# KiCad board input-output.Disk.kicad_pcb (continued)
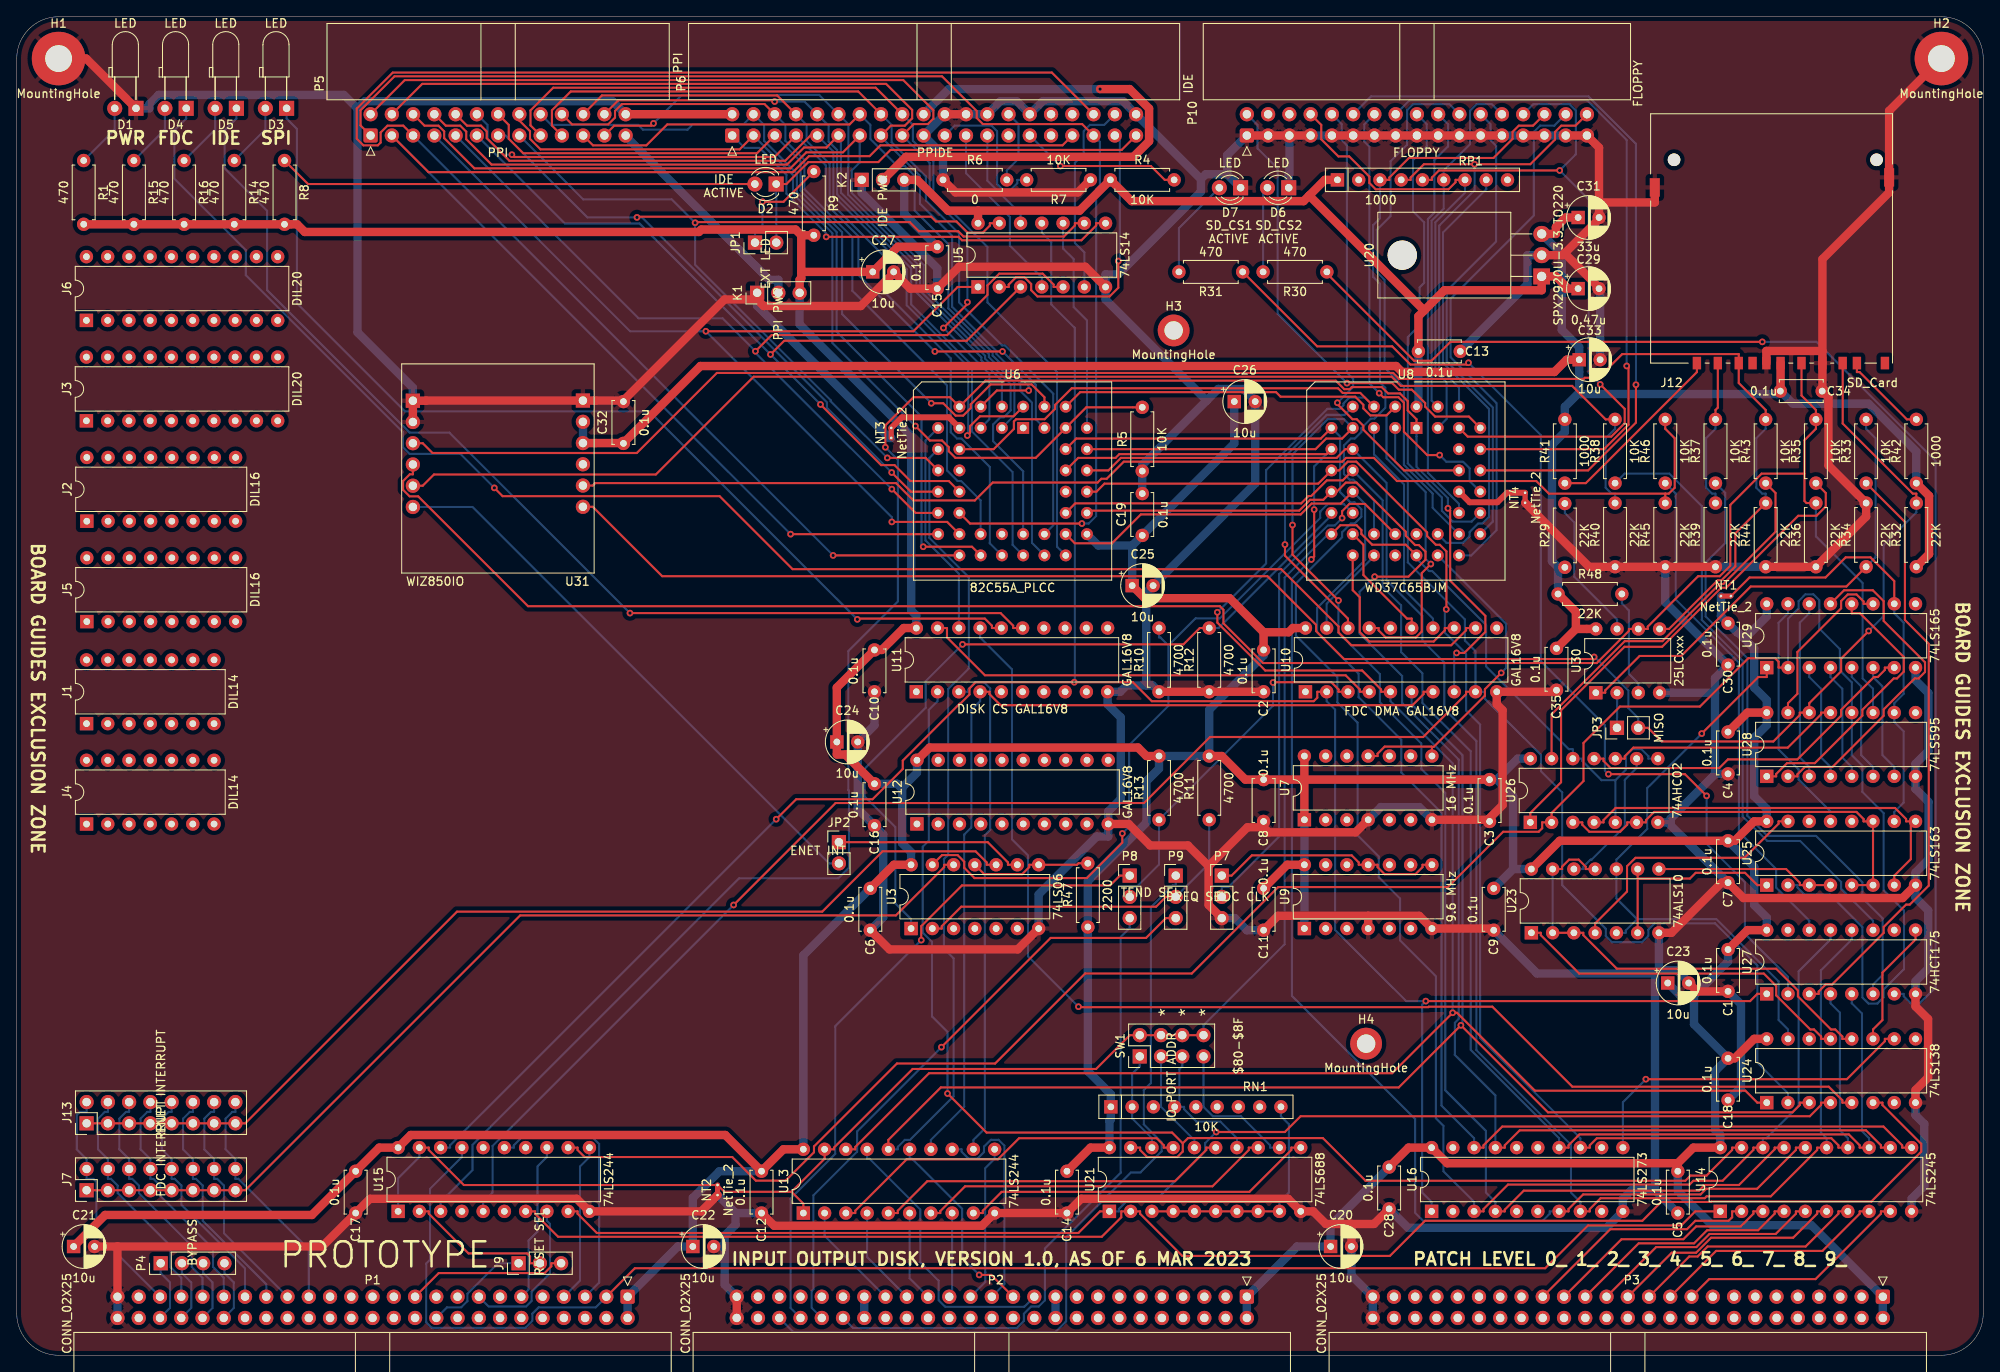
[diagram p0: board, top side]
## Routing (per net, layer and track width the routed paths; a pad name or vN(x,y) marks a point on that pad's centre or on a via; arc(x,y) is an arc through that point) (continued)
/WIZNET/~{CTRL_WR}: length 15.1
  Top w0.25: U27.9 226.9,49.69 222.95,45.74 222.95,40.07 221.82,38.95 U24.11
/WIZNET/~{ENET_INT}: length 22.6
  Top w0.25: U3.9 118.45,58.63 118.45,58.91 116.03,61.34 JP2.1
/WIZNET/~{LATCH_WR}: length 41.2
  Top w0.25: U24.10 223.24,37.82 223.24,37.54 218.7,33 v1(194.68,33)
  Bottom w0.25: U16.11 191.94,30.26 v1(194.68,33)
/WIZNET/~{MOSI}: length 42
  Top w0.25: U26.11 189.62,71.32 189.62,71.04 190.46,70.19 203.45,70.19 204.49,71.23 212.79,71.23 218.01,76.45 218.01,77.15 221.94,81.07 222.4,81.07 223.24,81.92 223.24,82.2 U29.7
/WIZNET/~{QD}: length 48.6
  Top w0.25: U26.4 189.62,63.7 189.62,63.98 191.06,65.42 224.46,65.42 225.78,64.1 225.78,63.82 226.34,63.82 ; 226.34,63.82 U25.9 ; 226.34,63.82 226.34,59.3 224.37,57.33 U25.7
/WIZNET/~{RST}: length 145.4
  Top w0.25: 197,103 197.42,103 198.13,103.7 198.13,109.62 197,110.74 R46.2 ; 197,103 R45.2 ; 197,103 183.09,103 181.58,104.5 164.94,104.5 162.17,107.27 158.85,107.27 158.4,106.82 132.29,106.82 130.25,104.77 129.61,104.77 129.16,104.32 116.63,104.32 114.49,102.18 107.14,102.18 105.07,104.26 69.13,104.26 68.84,103.96 U31.J2-5
/WIZNET/~{SD_RDNTR}: length 42
  Top w0.25: U24.13 215.62,37.82 215.62,38.1 214.78,38.95 214.33,38.95 210.25,43.02 210.25,44.15 208.77,45.63 186.72,45.63 182.13,50.22 182.13,50.5 U23.1
/WIZNET/~{SD_RDTR}: length 55.7
  Top w0.25: U23.13 184.67,58.12 184.67,58.4 185.51,59.25 186.65,59.25 187.49,58.4 187.49,58.12 U23.11 ; U23.2 U23.3 187.21,50.5 187.21,50.22 191.22,46.21 210.25,46.21 212.85,43.61 212.85,42.9 216.8,38.95 217.32,38.95 218.16,38.1 218.16,37.82 U24.12
  Bottom w0.25: U23.2 U23.13
/WIZNET/~{SD_WRTR}: length 69.8
  Top w0.25: U29.1 209.12,81.07 208.12,81.07 v1(201.36,74.31)
  Bottom w0.25: 193.64,52.13 191.16,54.61 U23.10 191.16,59.25 194.84,62.93 194.84,67.8 v1(201.36,74.31) ; 193.64,52.13 203.1,52.13 210.54,44.69 210.54,40.07 211.66,38.95 U24.15 ; 193.64,52.13 192.29,50.78 192.29,50.5 U23.5
/WIZNET/~{SER_RD}: length 28.3
  Top w0.25: U26.10 192.16,71.32 192.16,71.6 193.19,72.63 211.64,72.63 215.62,76.62 215.62,76.82 U28.13
/WIZNET/~{TR}: length 21.5
  Top w0.25: U23.8 211.44,58.12 213.08,56.48 213.08,56.2 U25.3 U25.4
A0: length 13
  Bottom w0.25: U13.2 96.54,14.28 P2.35
A1: length 12
  Bottom w0.25: U13.4 101.62,11.74 P2.33
A2: length 10.9
  Bottom w0.25: P2.31 106.7,9.2 U13.6
A3: length 10.1
  Bottom w0.25: U13.8 111.78,7.34 P2.29
A4: length 18.8
  Bottom w0.25: P2.27 115.74,8.76 115.74,9.91 115.73,9.91 115.73,22.37 116.86,23.49 U13.11
A5: length 27.2
  Bottom w0.25: P2.25 118.03,8.51 118.03,25.05 117.32,25.75 116.4,25.75 115.59,24.95 115.59,24.29 114.79,23.49 113.75,23.49 112.91,24.34 112.91,24.62 U13.13
A6: length 23.7
  Top w0.25: P2.23 116.45,9.61 v1(115.01,9.61)
  Bottom w0.25: U13.15 106.7,23.49 106.98,23.49 112.98,17.5 112.98,11.64 v1(115.01,9.61)
A7: length 34
  Bottom w0.25: P2.21 120.4,5.8 110.95,5.8 110.17,6.58 110.17,8.9 107.97,11.1 107.97,17.43 101.9,23.49 101.62,23.49 U13.17
bA0: length 279.1
  Top w0.25: U13.18 100.21,24.62 100.21,24.9 109.02,33.72 164.37,33.72 v1(171.59,40.94) 172.11,40.94 181.42,31.63 206.57,31.63 208,30.2 U24.1 ; U10.5 163.03,79.31 163.03,79.59 160.77,81.85 149.2,81.85 143.47,87.58 v1(143.47,88.81) ; U6.10 116.75,108.31 119.16,110.72 119.16,111.62 119.42,111.89 122.83,111.89 124.08,113.13 124.08,113.6 126.07,115.59 157.89,115.59 158.45,115.03 160.55,115.03 U8.4
  Bottom w0.25: U8.4 161.11,114.47 159.24,114.47 158.54,113.77 158.54,113.55 158.12,113.13 156.62,113.13 149.3,105.81 149.3,94.64 v1(143.47,88.81) ; U10.5 164.16,78.18 171.59,70.75 v1(171.59,40.94)
bA1: length 256.3
  Top w0.25: U24.3 213.08,30.2 213.08,29.92 212.2,29.04 182.98,29.04 v1(172.58,39.44) 165.15,32.02 110.43,32.02 104.16,25.75 U13.16
  Bottom w0.25: v1(172.58,39.44) 172.77,39.64 172.77,71.73 166.7,77.8 U10.6 ; U13.16 105.29,24.62 105.29,24.9 106.13,25.75 106.74,25.75 111.95,30.95 111.95,47.45 110.8,48.6 110.8,59.32 111.31,59.82 111.31,79.65 113.77,82.11 113.77,93 109.05,97.72 109.05,107.25 U6.9
bA2: length 112.9
  Top w0.25: U11.4 116.25,79.31 116.25,79.03 117.57,77.7 166.79,77.7 168.11,79.03 168.11,79.31 U10.7
  Bottom w0.25: U11.4 115.12,78.18 114.07,77.13 114.07,63.08 113.22,62.24 113.22,29.73 109.24,25.75 U13.14
bA3: length 60.6
  Bottom w0.25: U13.12 114.32,25.75 115.68,27.11 115.68,62.16 116.33,62.8 116.33,79.71 115.6,80.44 114.55,80.44 113.71,79.59 113.71,79.31 U11.3
bA4: length 42.7
  Top w0.25: U13.9 115.45,17 115.45,17.28 117.7,19.53 147.3,19.53 152.31,24.54 152.31,24.82 U21.11
bA5: length 42.7
  Top w0.25: U13.7 110.37,17 110.37,17.23 113.33,20.2 142.89,20.2 147.23,24.54 147.23,24.82 U21.13
bA6: length 42.7
  Top w0.25: 143.28,24.82 142.15,24.82 142.15,24.54 138.42,20.81 108.81,20.81 105.29,17.28 105.29,17 U13.5
bA7: length 43.6
  Top w0.25: U21.17 137.07,24.82 137.07,25.1 136.23,25.95 119.78,25.95 117.25,23.42 106.34,23.42 100.21,17.28 100.21,17 U13.3
bCLK: length 265.4
  Top w0.25: U29.2 210.54,82.2 210.54,82.9 210.12,83.33 206.92,83.33 201.14,77.54 191.58,77.54 187.22,73.19 187.22,68.64 183.41,64.83 U26.2 182.29,63.7 182.29,63 181.87,62.57 177.62,62.57 171.02,55.97 150.75,55.97 140.42,45.64 127.68,45.64 116.91,34.88 105.18,34.88 95.27,24.96 95.27,24.26 91.88,20.87 88.33,20.87 85.51,23.69 67.86,23.69 67.02,24.54 67.02,24.82 U15.12
  Bottom w0.25: U25.2 212.79,56.2 212.79,55.92 213.63,55.07 216.67,55.07 220.56,51.19 220.56,42.78 221.29,42.04 222.34,42.04 223.08,42.78 223.08,43.72 225.52,46.16 225.52,53.15 223.1,55.58 223.1,64.8 220.56,67.34 220.56,70.47 219.28,71.74 U28.12 219.28,80.44 217.87,81.85 217.87,84.4 215.4,86.87 215.4,90.25 214.69,90.96 213.74,90.96 212.94,90.15 212.94,89.29 211.66,88.02 U29.2
bD0: length 208.1
  Top w0.25: U8.7 155.84,109.58 126.62,109.58 U6.38 ; U16.3 175.28,17.2 175.28,17.48 178.21,20.41 199.9,20.41 200.35,20.86 203.85,20.86 207.53,24.54 207.53,24.82 U14.18
  Bottom w0.25: U14.18 208.66,25.95 209.08,25.95 212.94,29.8 212.94,45.88 216.75,49.69 U27.13 ; U8.7 158.15,109.81 158.15,103.17 159.36,101.96 159.86,101.96 160.69,101.13 160.69,100.25 159.86,99.42 159.42,99.42 158.38,98.38 158.38,97.77 152.86,92.26 152.86,86.02 157.81,81.07 157.81,78.04 160.22,75.63 160.22,62.16 162.76,59.62 162.76,57.13 165.31,54.59 165.31,49.59 169.59,45.31 169.59,28.34 170.49,27.43 170.49,21.99 174.16,18.33 U16.3
bD1: length 180.6
  Top w0.25: U8.8 158.38,109.58 156.48,109.58 155.21,108.31 U6.37 ; v1(157.95,90.22) 152.45,95.72 v1(152.45,99.25) ; U14.17 210.07,24.82 210.07,24.62 205.81,20.35 201.7,20.35 201.03,19.68 180.09,19.68 177.82,17.4 177.82,17.2 U16.4
  Bottom w0.25: v1(157.95,90.22) 157.95,86.37 162.89,81.43 162.89,78.08 167.84,73.13 167.84,70.08 170.71,67.22 170.71,31.68 175.57,26.82 175.57,19.45 176.69,18.33 U16.4 ; U8.8 158.6,111.9 156.67,111.9 152.45,107.69 v1(152.45,99.25)
bD2: length 183.3
  Top w0.25: U16.7 185.44,17.2 185.44,17.48 187.18,19.23 201.21,19.23 201.89,19.9 207.97,19.9 212.61,24.54 212.61,24.82 213.74,24.82 ; U6.36 126.85,107.27 131.31,107.27 131.76,107.72 156.52,107.72 U8.9 ; v1(155.04,101.08) 155.04,95.46 v1(154.71,95.13)
  Bottom w0.25: U16.7 183.19,17.2 183.19,16.92 182.35,16.07 168.06,16.07 167.11,17.02 167.11,28.23 152.38,42.96 152.38,92.8 v1(154.71,95.13) ; v1(155.04,101.08) 155.04,106.24 U8.9
bD3: length 195.9
  Top w0.25: U6.35 130.45,105.77 131.95,107.27 157.73,107.27 158.77,108.31 U8.10 ; U16.8 187.98,17.2 187.98,17.48 189.27,18.78 201.72,18.78 201.94,19 209.61,19 215.15,24.54 215.15,24.82 216.28,24.82
  Bottom w0.25: U16.8 186.85,18.33 185.73,19.45 185.73,25.17 174.42,36.47 174.42,73.43 170.59,77.26 170.59,82.81 167.97,85.43 167.97,88.38 163.69,92.65 163.69,104.27 U8.10 ; 216.28,24.82 216.28,25.95 215.6,26.62 215.6,46.01 219.28,49.69 U27.12
bD4: length 179.7
  Top w0.25: U16.13 187.98,24.82 187.98,25.1 188.82,25.95 216.85,25.95 217.69,25.1 217.69,24.82 U14.14 ; v1(170.83,89.16) 170.85,89.18 170.85,96.09 170.06,96.88 169.59,96.88 168.54,97.93 168.54,98.35 160.08,106.82 159.06,106.82 158.02,105.77 U8.11 155.53,104.19 129.99,104.19 129.03,103.23 U6.33
  Bottom w0.25: U16.13 186.85,25.95 174.87,37.93 174.87,75.4 173.19,77.08 173.19,83.85 170.65,86.39 170.65,88.99 v1(170.83,89.16) ; U14.14 218.81,25.95 217.87,26.89 217.87,40.95 216.75,42.07 U27.4
bD5: length 185.5
  Top w0.25: U16.14 185.44,24.82 185.44,25.1 186.74,26.4 218.93,26.4 220.23,25.1 220.23,24.82 U14.13 ; U6.32 126.49,101.83 153.49,101.83 154.37,102.71 154.69,102.71 156.56,104.58 158.46,104.58 U8.12
  Bottom w0.25: U16.14 184.31,25.95 173.75,36.51 173.75,72.18 167.97,77.97 167.97,81.52 165.43,84.06 165.43,89.64 163.23,91.84 163.23,102.19 U8.12 ; U27.5 219.28,42.07 220.51,40.85 220.51,26.79 221.36,25.95 U14.13
bD6: length 178.9
  Top w0.25: v1(162.27,93.07) 166.31,93.07 168.34,95.1 168.34,96.06 167.56,96.85 167.11,96.85 166,97.95 166,98.43 160.12,104.31 158.83,104.31 157.75,103.23 U8.13 156.14,102.26 154.55,102.26 153.26,100.96 128.16,100.96 U6.31 ; U16.17 177.82,24.82 177.82,25.1 179.61,26.89 220.98,26.89 222.77,25.1 222.77,24.82 U14.12
  Bottom w0.25: U16.17 176.69,31.07 171.85,35.91 171.85,39.75 172.32,40.21 172.32,71.2 165.56,77.96 165.56,81.19 160.47,86.28 160.47,91.27 v1(162.27,93.07)
bD7: length 181.2
  Top w0.25: U8.14 158.23,101.81 154.74,101.81 153.44,100.51 134.33,100.51 130.88,97.06 126.44,97.06 U6.30 ; U16.18 175.28,24.82 175.28,25.1 177.52,27.34 223.07,27.34 225.31,25.1 225.31,24.82 U14.11
  Bottom w0.25: U8.14 161.14,101.74 161.14,95.08 155.4,89.34 155.4,86.42 160.35,81.47 160.35,78.67 165.45,73.57 165.45,69.66 170.26,64.85 170.26,29.84 174.16,25.95 U16.18
CLK: length 18.8
  Bottom w0.25: P1.15 56.4,5.82 60.87,5.82 61.53,6.49 61.53,7.59 63.72,9.78 63.72,15.71 63.36,16.07 U15.8
D0: length 28.4
  Top w0.25: 206.12,17.2 204.99,17.2 204.99,16.5 204.57,16.07 200.6,16.07 199.59,15.07 190.43,15.07 P3.33
D1: length 28.1
  Top w0.25: P3.31 191.77,13.87 199.16,13.87 200.68,15.4 206.01,15.4 207.53,16.92 207.53,17.2 U14.3
D2: length 28.1
  Top w0.25: P3.29 193.82,13.38 200.44,13.38 202.01,14.95 208.1,14.95 210.07,16.92 210.07,17.2 U14.4
D3: length 28.1
  Top w0.25: P3.27 195.91,12.93 200.72,12.93 202.29,14.5 210.19,14.5 212.61,16.92 212.61,17.2 213.74,17.2
D4: length 28.1
  Top w0.25: 216.28,17.2 215.15,17.2 215.15,16.92 212.28,14.05 202.47,14.05 200.68,12.26 197.78,12.26 P3.25
D5: length 28.1
  Top w0.25: U14.7 217.69,17.2 217.69,16.92 213.77,13 202.06,13 200.87,11.81 199.87,11.81 P3.23
D6: length 28.1
  Top w0.25: U14.8 220.23,17.2 220.23,16.92 215.78,12.47 203.07,12.47 P3.21
D7: length 28.1
  Top w0.25: U14.9 222.77,17.2 222.77,16.92 214.95,9.1 202.24,9.1 P3.19
FDC-RESET: length 11
  Bottom w0.25: U10.19 156.54,89.84 162.19,95.49 U8.20
FDC-TC: length 34.2
  Top w0.25: U10.18 159.08,88.06 151.55,95.58 v1(151.55,96.91)
  Bottom w0.25: U8.6 158.67,112.41 156.54,112.41 151.55,107.43 v1(151.55,96.91)
INT_FDC: length 84.9
  Top w0.25: U3.13 110.57,59.79 112.43,59.79 113.22,59 113.22,58.27 114.45,57.04 127.88,57.04 132.12,61.28 v1(132.12,62.37)
  Bottom w0.25: v1(132.12,62.37) 132.92,63.18 132.92,72.93 137.63,77.63 137.63,84.84 ; U8.16 158.61,101.73 156.64,101.73 155.77,100.85 155.77,100.08 143.77,88.09 140.88,88.09 137.63,84.84 ; R10.2 136.5,85.8 136.66,85.8 137.63,84.84
ONE: length 53.2
  Top w0.25: U29.10 224.37,92.54 221.52,95.38 218.56,95.38 216.15,92.97 207.07,92.97 NT1.2
  Bottom w0.25: U25.10 224.37,64.95 225.49,66.07 225.49,74.57 224.37,75.69 U28.10 224.37,77.95 225.49,79.07 225.49,87.57 224.37,88.69 U29.10
ZERO: length 247.3
  Top w0.25: 92.59,19.54 94,18.13 U13.1 ; 92.59,19.54 96.54,23.49 U13.19 97.67,24.62 97.67,24.82 107.06,34.22 128.98,34.22 133.02,38.26 SW1.2 SW1.4 SW1.6 SW1.8 ; 92.59,19.54 84.56,19.54 NT2.2 53.43,20.35 49.24,24.54 49.24,24.82 U15.19 ; U8.17 158.18,99.22 160.11,99.22 160.69,98.64 160.69,98.18 161.98,96.89 165.99,96.89 U8.24
  Bottom w0.25: U26.8 194.99,71.32 194.99,71.6 194.13,72.46 193.09,72.46 192.31,71.68 192.31,70.01 191.03,68.74 ; U15.19 48.11,23.69 45.58,21.15 U15.1 ; 191.03,68.74 189.38,68.74 187.08,71.04 187.08,71.32 U26.12 185.96,72.45 185.48,72.45 175.59,82.34 175.59,87.29 169.14,93.74 168.77,93.74 167.27,95.23 U8.24 ; 191.03,68.74 U26.5 ; U8.17 156.7,98.15 151.52,92.96 151.52,49.14 141.82,39.44 SW1.8
~{BAI}: length 7.5
  Bottom w0.25: P4.4 24.82,9.82 25.94,8.71 25.94,5.66 P1.40
~{BAO}: length 7.5
  Bottom w0.25: P4.3 22.28,9.82 23.4,8.71 23.4,5.66 P1.42
~{bIORQ}: length 159.4
  Top w0.25: U24.4 215.62,30.2 215.62,29.92 214.27,28.57 153.42,28.57 151.54,26.69 v1(143.33,26.69) ; U15.9 67.02,17.2 67.02,16.92 69.32,14.62 126.87,14.62 129.45,17.2 U21.1
  Bottom w0.25: U21.1 131.7,17.2 131.7,17.48 132.54,18.33 135.91,18.33 142,24.42 142,25.36 v1(143.33,26.69)
~{bM1}: length 186.3
  Top w0.25: U15.7 61.94,17.2 61.94,16.92 64.69,14.17 129.66,14.17 131.99,16.5 131.99,17.2 134.24,17.2 134.24,16.92 139.28,11.87 164.09,11.87 168.29,16.07 194.26,16.07 196.51,18.33 202.45,18.33 202.5,18.38 221.63,18.38 227.59,24.34 227.59,25.27 222.95,29.91 222.95,30.2 U24.6
~{bRD}: length 231.7
  Top w0.25: v1(172.06,83.96) 172.99,83.96 175.5,86.47 175.5,88.38 171.3,92.59 171.3,100.97 v1(171.03,101.24) ; v1(103.8,108.53) 103.8,111.16 107.17,114.52 111.52,114.52 U6.6 115.76,116.5 157.62,116.5 158.64,115.48 159.29,115.48 159.54,115.73 163.12,115.73 163.87,114.97 165.3,114.97 166.23,114.05 166.23,112.93 167.27,111.89 U8.1
  Bottom w0.25: v1(103.8,108.53) 105.3,107.04 105.3,90.11 99.37,84.18 99.37,67.57 99.45,67.49 99.45,58.28 98.19,57.02 86.33,57.02 54.47,25.16 54.47,22.14 50.66,18.33 U15.3 ; v1(171.03,101.24) 171.03,102.45 167.27,106.21 167.27,109.81 U8.1 ; U10.8 171.78,83.67 v1(172.06,83.96)
~{bRESET}: length 298.6
  Top w0.25: U27.1 208,43.2 207.14,42.34 v1(168.38,42.34) ; U10.2 155.41,79.31 155.41,78.61 154.99,78.18 135.64,78.18 133.37,80.46 v1(126.37,80.46) 114.6,80.46 113.85,79.71 113.85,78.98 112.74,77.88 112.67,77.88 105.88,71.09 105.88,70.08 102.26,66.46 93.14,66.46 v1(90.76,64.08)
  Bottom w0.25: U16.1 169.07,18.33 167.95,19.45 167.95,41.91 v1(168.38,42.34) 166.04,42.34 157.54,50.83 157.54,77.18 156.54,78.18 U10.2 ; U5.11 122.5,134.19 123.62,133.07 123.62,125.62 126.44,122.81 126.44,80.52 v1(126.37,80.46) ; v1(90.76,64.08) 51.78,25.1 51.78,24.82 U15.18
~{bWR}: length 305.3
  Top w0.25: v1(85.67,53.82) 97.85,66.01 134.71,66.01 142.6,73.9 168.07,73.9 173.19,79.03 173.19,79.31 U10.9 ; U8.2 163.69,112.35 161.75,112.35 160.92,113.18 160.92,113.61 159.95,114.58 151.03,114.58 150.49,115.13 127.09,115.13 U6.40
  Bottom w0.25: v1(85.67,53.82) 56.86,25.02 56.86,19.45 55.73,18.33 U15.5 ; U24.2 211.66,31.33 208,34.99 208,46.59 202.96,51.63 195.72,51.63 194.97,50.88 194.97,50.13 194.22,49.37 190.63,49.37 189.89,50.12 189.89,50.98 184.69,56.19 184.69,67.28 182.15,69.82 182.15,71.77 175.45,78.47 175.45,79.31 U10.9 174.32,84.16 173.05,85.43 173.05,87.97 166.23,94.78 166.23,104.67 163.69,107.22 163.69,112.35 U8.2
~{CS_DISK}: length 159.6
  Top w0.25: 139.34,25.34 138.06,26.62 115.9,26.62 v1(111.23,31.29) ; 139.34,25.34 139.34,24.35 138.68,23.69 135.08,23.69 134.24,24.54 134.24,24.82 133.12,24.82 ; 139.34,25.34 139.97,25.96 156.08,25.96 161.19,20.86 199.4,20.86 200.02,21.48 201.93,21.48 204.99,24.54 204.99,24.82 206.12,24.82
  Bottom w0.25: v1(111.23,31.29) 111.23,38.65 109.37,40.5 109.37,49.41 108.27,50.52 108.27,60.79 108.99,61.51 108.99,77.13 110.04,78.18 U11.2
~{CS_FDC}: length 55.6
  Top w0.25: U10.4 160.49,79.31 160.49,79.59 158.81,81.28 115.7,81.28 111.17,85.81 111.17,86.93 U11.19
~{CS_PPIDE}: length 26.2
  Bottom w0.25: U11.18 112.58,93.42 108.59,97.4 108.59,109.33 U6.7
~{CS_SPI}: length 147.5
  Top w0.25: v1(126.88,41.67) 126.93,41.61 168.68,41.61 168.73,41.67 176.34,41.67 185.9,32.1 216.54,32.1 218.16,30.48 218.16,30.2 U24.5
  Bottom w0.25: v1(126.88,41.67) 120.84,47.7 120.84,59.76 118.93,61.67 118.93,81.99 115.12,85.8 U11.17
~{DREQ0}: length 96.9
  Bottom w0.25: P9.1 138.5,56.16 138.13,56.16 135.53,53.56 135.53,32.54 134.68,31.69 134.68,27.59 136.82,25.46 136.82,24.38 134.28,21.85 133.13,21.85 125.41,14.12 125.41,4.07 124.13,2.78 92.8,2.78 P2.46
~{DREQ1}: length 73.7
  Top w0.25: v1(110.5,36.83) 123.55,49.88 134.95,49.88 137.32,52.25 P9.3
  Bottom w0.25: v1(110.5,36.83) 100.42,26.76 100.42,24.33 95.2,19.11 95.2,7.9 95,7.7 95,5.66 P2.42
~{EIRQ0}: length 28.8
  Bottom w0.25: P1.45 9.53,14.59 9.53,20.72 9.16,21.09 8.35,21.09 J7.2 8.35,23.44 7.17,24.62 7.17,28.72 7.54,29.09 8.35,29.09 J13.2
~{EIRQ1}: length 28.3
  Bottom w0.25: P1.43 19.66,9.27 18.38,10.55 18.38,13.07 12.07,19.38 12.07,20.28 11.26,21.09 10.89,21.09 J7.4 10.89,23.44 9.71,24.62 9.71,28.28 10.52,29.09 10.89,29.09 J13.4
~{EIRQ2}: length 28.3
  Bottom w0.25: P1.41 22.2,9.27 20.92,10.55 20.92,13.07 14.61,19.38 14.61,20.28 13.8,21.09 13.43,21.09 J7.6 13.43,23.44 12.25,24.62 12.25,28.28 13.06,29.09 13.43,29.09 J13.6
~{EIRQ3}: length 28.3
  Bottom w0.25: P1.39 24.74,9.27 23.46,10.55 23.46,12.75 17.15,19.06 17.15,20.28 16.34,21.09 15.97,21.09 J7.8 15.97,23.44 14.79,24.62 14.79,28.28 15.6,29.09 15.97,29.09 J13.8
~{EIRQ4}: length 28.3
  Bottom w0.25: J13.10 18.51,29.09 18.14,29.09 17.33,28.28 17.33,24.62 18.51,23.44 J7.10 18.51,21.09 18.88,21.09 19.69,20.28 19.69,17.98 27.28,10.38 P1.37
~{EIRQ5}: length 28.3
  Bottom w0.25: P1.35 29.82,8.48 22.23,16.07 22.23,20.28 21.42,21.09 21.05,21.09 J7.12 21.05,23.44 19.87,24.62 19.87,28.28 20.68,29.09 21.05,29.09 J13.12
~{EIRQ6}: length 28.3
  Bottom w0.25: P1.33 24.77,14.59 24.77,20.28 23.96,21.09 23.59,21.09 J7.14 23.59,23.44 22.41,24.62 22.41,28.28 23.22,29.09 23.59,29.09 J13.14
~{EIRQ7}: length 28.3
  Bottom w0.25: P1.31 34.9,12.69 26.5,21.09 26.13,21.09 J7.16 26.13,23.44 24.95,24.62 24.95,28.28 25.76,29.09 26.13,29.09 J13.16
~{FDC-DACK}: length 26.8
  Bottom w0.25: U10.14 169.24,88.06 165.78,91.51 165.78,104.09 162.19,107.68 U8.5
~{IEI}: length 7.5
  Bottom w0.25: P4.2 19.74,9.82 20.86,8.71 20.86,5.66 P1.44
~{IEO}: length 7.5
  Bottom w0.25: P1.46 18.32,5.66 18.32,8.71 17.2,9.82 P4.1
~{IORQ}: length 19.1
  Bottom w0.25: P1.7 67.31,8.93 67.31,22.57 68.44,23.69 U15.11
~{LDCR}: length 14.5
  Top w0.25: U8.19 160.93,96.87 160.93,93.27 166.14,88.06 166.7,88.06 U10.15
~{LDOR}: length 22.1
  Top w0.25: U10.13 170.65,86.93 170.65,86.65 169.33,85.32 161.62,85.32 160.49,86.44 160.49,90.61 159.65,91.45 U8.18
~{M1}: length 19.1
  Bottom w0.25: P1.11 61.16,7.86 61.16,13.72 62.23,14.78 62.23,22.57 63.36,23.69 U15.13
~{MSR-DATA}: length 33.8
  Top w0.25: U10.17 162.75,86.93 162.75,86.65 163.59,85.8 167.19,85.8 167.9,86.5 167.9,93.49 v1(168.98,94.58)
  Bottom w0.25: v1(168.98,94.58) 168.37,95.19 168.37,103.17 164.73,106.81 U8.3
~{PULSE}: length 42.8
  Top w0.25: U10.3 157.95,79.31 157.95,79.59 157.09,80.46 150.16,80.46 v1(150.13,80.42)
  Bottom w0.25: v1(150.13,80.42) 150.13,77.64 R13.1 136.5,58.66 133.81,55.97 133,55.97 P8.2
~{RD}: length 183.8
  Top w0.25: U14.1 200.58,17.2 198.9,15.52 187.76,15.52 182.65,10.4 73.86,10.4 P1.3
  Bottom w0.25: U15.17 53.19,23.69 49.39,19.88 49.39,11.42 48.93,10.97 48.93,3.93 49.59,3.28 60.78,3.28 61.61,4.11 61.61,4.97 62.37,5.73 69.19,5.73 P1.3
~{RES_IN}: length 13.1
  Bottom w0.25: J9.1 57.5,11 53.86,7.35 53.86,6.47 53.11,5.73 51.41,5.73 P1.20
~{RES_OUT}: length 19.3
  Top w0.25: P1.21 50.42,9.82 63.07,9.82 63.88,10.63 63.88,11 65.06,11
~{TEND0}: length 81.2
  Top w0.25: P8.1 131.82,57.34 130.65,56.16 112.95,56.16 108.09,51.3 v1(108.09,49.62)
  Bottom w0.25: v1(108.09,49.62) 97.81,39.34 97.81,24.07 92.47,18.73 92.47,5.65 P2.44
~{TEND1}: length 76.4
  Bottom w0.25: P2.40 99.94,3.26 119.52,3.26 120.35,4.09 120.35,4.96 121.21,5.82 122.13,5.82 122.87,6.57 122.87,12.77 131.93,21.83 131.93,50.01 133,51.08 P8.3
~{WR}: length 31.2
  Bottom w0.25: P1.5 69.6,8.68 69.6,25.25 68.85,26 60.29,26 59.4,25.1 59.4,24.82 U15.15
Net-(D1-Pad2): length 7.8
  Bottom w0.25: D1.2 11.71,146.52 R1.1
Net-(D2-Pad2): length 57.4
  Top w0.25: D2.2 34.81,140 R8.1
Net-(D3-Pad1): length 124.3
  Top w0.25: U11.16 116.53,86.93 116.53,87.21 115.69,88.06 100.54,88.06 v1(100.45,87.97)
  Bottom w0.25: v1(100.45,87.97) 75.59,112.83 46.39,112.83 33.48,125.75 33.48,146.6 32.25,147.82 D3.1
Net-(D3-Pad2): length 7.8
  Bottom w0.25: D3.2 29.71,146.52 R14.1
Net-(D4-Pad2): length 7.8
  Bottom w0.25: D4.2 17.71,146.52 R15.1
Net-(D5-Pad1): length 131.6
  Top w0.25: U11.15 119.07,86.93 119.07,87.21 117.57,88.71 v1(73.28,88.71)
  Bottom w0.25: v1(73.28,88.71) 51.71,110.29 46.95,110.29 29.92,127.32 29.92,136.81 24.84,141.88 24.84,146.41 26.25,147.82 D5.1
Net-(D5-Pad2): length 7.8
  Bottom w0.25: R16.1 23.71,146.52 D5.2
Net-(D6-Pad2): length 10.3
  Bottom w0.25: R30.2 148.94,139.04 D6.2
Net-(D7-Pad2): length 12.1
  Bottom w0.25: D7.2 138.88,134.73 R31.2
Net-(J9-Pad2): length 17.6
  Top w0.25: U15.2 49.24,17.2 49.24,16.92 53.98,12.18 60.97,12.18 61.34,11.81 61.34,11 J9.2
Net-(J12-Pad8): length 10.5
  Top w0.25: R42.2 225.87,111.87 220.22,117.52 219.9,117.52 J12.8
Net-(J12-Pad9): length 22.4
  Top w0.25: J12.9 200.78,117.52 187.51,104.25 R41.1
Net-(J13-Pad1): length 123
  Top w0.25: U3.10 115.91,58.63 115.91,58.91 114.58,60.24 103.47,60.24 96.26,53.03 52.61,53.03 27.31,27.72 J13.15 J13.13 J13.11 J13.9 J13.7 J13.5 J13.3 J13.1
Net-(JP1-Pad1): length 12.9
  Top w0.25: v1(89.11,137.88) 91.63,137.88 R9.1
  Bottom w0.25: v1(89.11,137.88) 89.11,135.06 88.22,134.18 JP1.1
Net-(JP2-Pad2): length 68.6
  Bottom w0.25: U31.J1-6 54.47,101.4 97.07,58.79 JP2.2
Net-(JP3-Pad1): length 4.2
  Bottom w0.25: U30.2 191.24,76.19 191.22,76.18 JP3.1
Net-(P7-Pad1): length 28
  Top w0.25: P7.1 145.18,57.34 147.6,59.76 159.53,59.76 160.37,58.91 160.37,58.63 U9.11 162.62,58.63 162.62,58.35 163.46,57.5 167.15,57.5 167.99,58.35 167.99,58.63 U9.8
Net-(P7-Pad2): length 61.2
  Top w0.25: U8.23 161.11,101.77 159.25,101.77 158.38,100.89 v1(158.38,100.07)
  Bottom w0.25: P7.2 144,55.97 144.81,55.97 150.85,62.01 150.85,93.37 156.67,99.19 157.5,99.19 v1(158.38,100.07)
Net-(R29-Pad2): length 17.6
  Bottom w0.25: R29.2 185,100.68 186.13,99.56 186.13,93.06 191.24,87.95 U30.7
Net-(R30-Pad1): length 153.4
  Top w0.25: R30.1 156.56,129.31 166.99,118.87 169.06,118.87 171.32,121.13 v1(208.6,121.13)
  Bottom w0.25: v1(208.6,121.13) 215.07,121.13 229.31,106.89 229.31,43.99 227.4,42.07 226.34,42.07 225.49,42.92 225.49,43.2 U27.7
Net-(R31-Pad1): length 128.3
  Top w0.25: v1(201.94,66.87) 199.35,69.46 v1(190.21,69.46) ; v1(173.48,118.64) 173.27,118.42 166.54,118.42 164.37,120.6 155.4,120.6 R31.1
  Bottom w0.25: v1(173.48,118.64) 182.12,110 182.12,82.97 189.78,75.31 189.78,69.89 v1(190.21,69.46) ; v1(201.94,66.87) 201.94,61.12 206.51,56.55 206.51,50.37 211.66,45.22 U27.2
Net-(R33-Pad1): length 71.4
  Top w0.25: R33.1 225.63,99.62 225.63,87.89 228.49,85.04 228.49,56.15 226.22,53.87 225.77,53.87 223.1,51.19 223.1,50.49 216.93,44.33 216.17,44.33 215.33,43.48 215.33,43.2 U27.3
Net-(R35-Pad1): length 59.9
  Top w0.25: R35.1 216.18,103.07 216.18,101.46 215.07,100.35 212.88,100.35 204.28,91.74 203.68,91.74 196.62,84.69 192.12,84.69 184.55,77.11 184.55,68.5 180.88,64.83 U26.1
Net-(R37-Pad1): length 75.1
  Bottom w0.25: R37.1 204.16,103.09 204.16,97.08 201.82,94.75 201.82,88.32 206.8,83.34 206.8,64.5 209.21,62.08 215,62.08 220.56,56.53 220.56,54.64 222.97,52.22 222.97,45.47 221.82,44.33 U27.6
Net-(R38-Pad1): length 73.9
  Bottom w0.25: U27.11 221.82,51.95 218.01,55.76 218.01,56.58 213.12,61.47 209.19,61.47 206.25,64.41 206.25,83.02 201.37,87.9 201.37,101.5 197.48,105.39 192.14,105.39 R38.1
Net-(R43-Pad1): length 47.4
  Top w0.25: U26.13 183.41,76.62 192.16,85.36 196.66,85.36 203.49,92.19 203.94,92.19 210.18,98.43 210.18,103.07 R43.1
Net-(R46-Pad1): length 60.6
  Bottom w0.25: U27.14 214.21,51.95 210.25,55.9 210.25,58.12 205.8,62.57 205.8,82.79 198.25,90.34 198.25,103 R46.1
Net-(R47-Pad2): length 14.7
  Top w0.25: R47.2 126.87,58.81 126.69,58.63 U3.8 120.99,58.63 120.99,58.35 120.15,57.5 115.62,57.5 U3.11
Net-(R48-Pad2): length 12.6
  Bottom w0.25: U30.3 193.78,80.33 192.65,81.45 192.65,89.03 191.81,89.87 R48.2
Net-(RN1-Pad2): length 12.3
  Bottom w0.25: U21.18 135.66,25.95 133.29,28.31 RN1.2 133.29,33.64 134.2,34.55 SW1.1
Net-(RN1-Pad3): length 13.6
  Bottom w0.25: 136.74,29.69 SW1.3 ; 136.74,29.69 140.49,25.95 140.74,25.95 140.74,24.82 ; 136.74,29.69 RN1.3
Net-(RN1-Pad4): length 16.5
  Bottom w0.25: SW1.5 139.28,34.55 138.93,34.2 138.93,29.69 ; RN1.4 138.93,29.69 ; 138.93,29.69 139.5,29.69 139.5,29.41 140.98,27.93 143.83,27.93 145.81,25.95 U21.14
Net-(RN1-Pad5): length 18.2
  Bottom w0.25: 141.82,29.69 142.95,28.57 146.3,28.57 149.77,25.1 149.77,24.82 150.9,24.82 ; 141.82,29.69 RN1.5 ; 141.82,29.69 SW1.7
Net-(RN1-Pad9): length 28.6
  Top w0.25: U21.3 U21.4 U21.7 U21.8 150.9,17.2
  Bottom w0.25: 150.9,17.2 150.9,18.33 152.02,19.45 152.02,27.62 151.07,28.57 RN1.9
Net-(U5-Pad10): length 25.7
  Bottom w0.25: U6.39 127.89,123.7 126.31,125.29 126.31,131.02 125.03,132.29 U5.10
Net-(U23-Pad12): length 17
  Bottom w0.25: U23.12 187.21,58.12 187.21,58.38 188.07,59.25 188.19,59.25 192.16,63.22 192.16,68.78 193.57,70.19 U26.9

## Copper pours and planes (outline as drawn; the poured copper is in the pictures)
GND on Top, Bottom: 235,0 0,0 0,160 235,160

## Text on the board
F.Silkscreen: PPI | IDE / ACTIVE | PPIDE | DISK CS GAL16V8 | SD_CS1 / ACTIVE | SD_CS2 / ACTIVE | FDC DMA GAL16V8 | FLOPPY | $80-$8F | * / * / * | PWR | FDC | IDE | SPI | INPUT OUTPUT DISK, VERSION 1.0, AS OF 6 MAR 2023 | PATCH LEVEL 0_ 1_ 2_ 3_ 4_ 5_ 6_ 7_ 8_ 9_ | BOARD GUIDES EXCLUSION ZONE | PROTOTYPE
